# KiCad board jetson-orin-baseboard.kicad_pcb (continued)
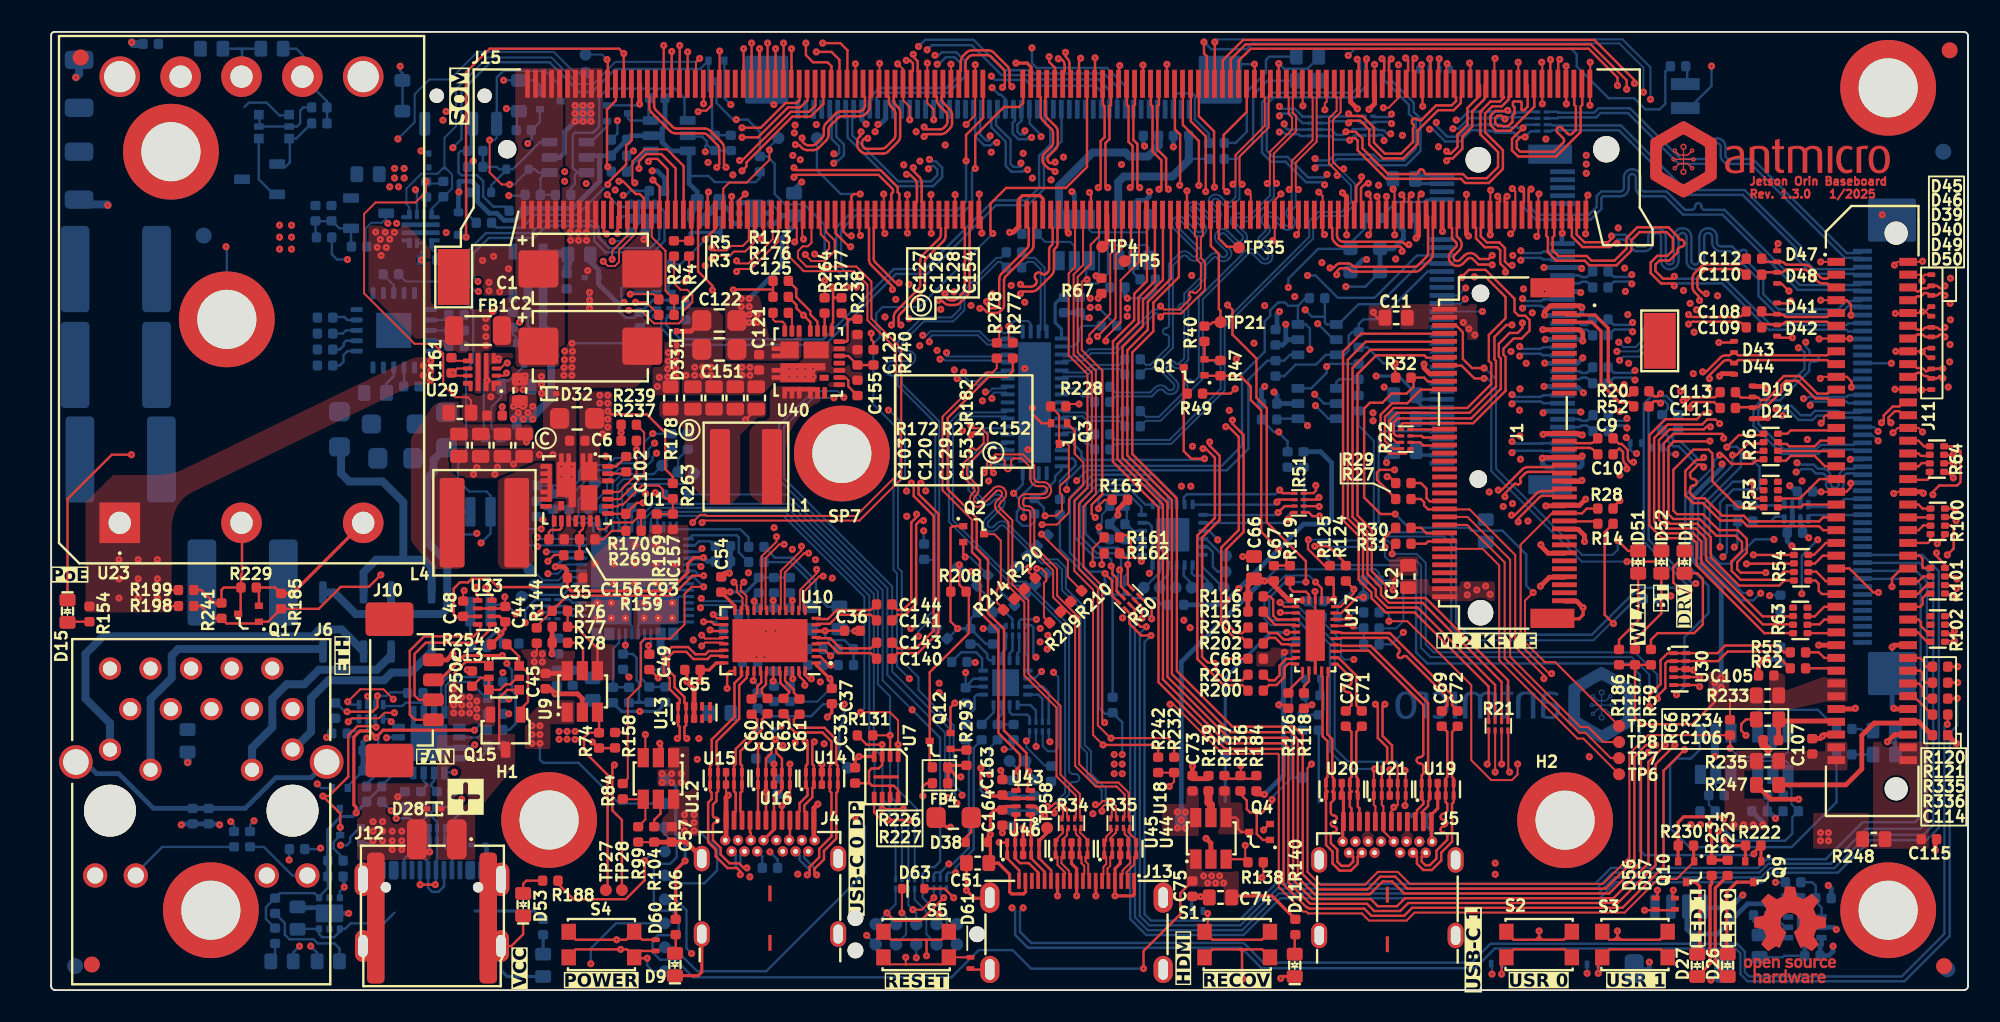
[diagram p0: board, top side]
## Routing (per net, layer and track width the routed paths; a pad name or vN(x,y) marks a point on that pad's centre or on a via; arc(x,y) is an arc through that point) (continued)
  Bottom w0.155: 90.3,54.2 90.74,54.2 90.9,54.04 91.78,54.04 91.83,53.99 v1(92.14,53.99) 92.34,54.19 93.03,54.19 93.03,54.19
CSI1_D0_P: length 12.9
  Top w0.155: 95.35,56.74 95.35,55.43 95.45,55.33 95.45,53.86 95.22,53.63 arc(95.08,53.57) 94.94,53.63 94.58,53.99 arc(94.44,54.05) 94.3,53.99 arc(94.24,53.85) 94.3,53.71 94.65,53.35 arc(94.71,53.21) 94.65,53.07 94.09,52.5 91.96,52.5 91.75,52.71 91.75,53.18 91.99,53.42 v1(92.27,53.42)
  Bottom w0.155: 93.03,53.79 93.02,53.78 92.63,53.78 v1(92.27,53.42) 91.85,53.42 91.57,53.7 90.39,53.7 90.3,53.79
CSI1_D1_N: length 9.6
  Top w0.155: 92.85,56.74 92.85,55.32 91.34,53.81 90.46,53.81 90.1,54.17 90.1,54.74 90.41,55.05 91.14,55.05 v1(91.18,55.09)
  Bottom w0.155: 90.3,55.01 91.1,55.01 v1(91.18,55.09) 91.31,54.96 92.19,54.96 92.23,55 93.02,55 93.03,54.99
CSI1_D1_P: length 9.5
  Top w0.155: v1(91.01,54.54) 90.79,54.76 90.54,54.76 90.4,54.62 90.4,54.29 90.58,54.11 91.22,54.11 91.22,54.12 91.4,54.3 91.41,54.3 91.48,54.38 91.48,54.76 91.61,54.89 91.61,55.27 91.51,55.37 91.51,55.59 91.57,55.65 91.99,55.65 92.05,55.59 92.05,55.14 92.09,55.1 92.21,55.1 92.43,55.32 92.43,56.66 92.35,56.74
  Bottom w0.155: 90.3,54.6 90.95,54.6 v1(91.01,54.54) 91.13,54.66 92.19,54.66 92.25,54.59 93.03,54.59 93.03,54.59
CSI2_CLK_N: length 65.8
  Top w0.155: 89.6,47.82 89.5,47.72 89.5,47.19 89.87,46.82 90.65,46.82 91.01,46.46 91.01,45.63 91.25,45.39 v1(91.46,45.39)
  In5.Cu w0.16: v1(109.29,33.02) 109.12,32.85 108.86,32.85 108.29,32.28 107.3,32.28 107.17,32.41 107.17,33.24 107.46,33.53 arc(107.56,33.76) 107.46,33.99 107.18,34.28 arc(106.95,34.37) 106.72,34.28 106.62,34.17 arc(106.6,34.16) 106.58,34.17 106.3,34.45 arc(106.29,34.47) 106.3,34.49 106.4,34.59 arc(106.5,34.82) 106.4,35.05 106.12,35.34 arc(105.89,35.43) 105.66,35.34 105.56,35.23 arc(105.54,35.22) 105.52,35.23 105.35,35.4 105.35,36.01 arc(105.22,36.31) 104.93,36.44 104.78,36.44 arc(104.69,36.47) 104.65,36.56 104.65,36.76 arc(104.69,36.85) 104.78,36.89 105.67,36.89 arc(106.01,37.03) 106.15,37.36 106.15,37.46 arc(106.01,37.8) 105.67,37.94 105.53,37.94 arc(105.4,37.99) 105.35,38.11 105.35,38.81 arc(105.2,39.18) 104.82,39.33 104.68,39.33 arc(104.52,39.4) 104.45,39.56 arc(104.52,39.72) 104.68,39.79 104.82,39.79 arc(105.2,39.94) 105.35,40.31 105.35,40.56 arc(105.4,40.69) 105.53,40.74 105.67,40.74 arc(106.01,40.88) 106.15,41.21 106.15,41.31 arc(106.01,41.65) 105.67,41.78 105.53,41.78 arc(105.4,41.84) 105.35,41.96 105.35,42.06 arc(105.4,42.19) 105.53,42.24 105.67,42.24 arc(106.01,42.38) 106.15,42.71 106.15,42.81 arc(106.01,43.15) 105.67,43.28 105.53,43.28 arc(105.4,43.34) 105.35,43.46 105.35,43.68 104.66,44.37 arc(104.61,44.49) 104.66,44.62 104.77,44.72 arc(104.91,45.06) 104.77,45.39 104.7,45.46 arc(104.36,45.6) 104.03,45.46 103.46,44.9 arc(103.45,44.89) 103.43,44.9 103.14,45.18 arc(103.14,45.2) 103.14,45.22 103.25,45.32 arc(103.35,45.55) 103.25,45.78 102.87,46.16 101.6,46.16 arc(101.42,46.23) 101.35,46.41 101.35,47.11 arc(101.19,47.5) 100.8,47.66 arc(100.41,47.5) 100.25,47.11 100.25,45.56 arc(100.36,45.3) 100.63,45.19 100.78,45.19 arc(100.83,45.17) 100.85,45.11 100.85,44.81 arc(100.83,44.76) 100.78,44.74 100.63,44.74 arc(100.36,44.63) 100.25,44.36 100.25,44.16 arc(100.41,43.79) 100.78,43.64 100.93,43.64 arc(101.08,43.57) 101.15,43.41 arc(101.08,43.25) 100.93,43.19 100.78,43.19 arc(100.41,43.03) 100.25,42.66 100.25,42.46 arc(100.18,42.28) 100,42.21 arc(99.82,42.28) 99.75,42.46 99.75,42.74 arc(99.66,42.97) 99.43,43.06 99.28,43.06 arc(99.26,43.07) 99.25,43.09 99.25,43.49 arc(99.26,43.51) 99.28,43.51 99.43,43.51 arc(99.66,43.61) 99.75,43.84 99.75,47 99.46,47.29 98.82,47.29 98.46,46.93 98.46,46.41 98.21,46.16 97.49,46.16 arc(97.35,46.22) 97.29,46.36 97.29,46.38 arc(97.23,46.53) 97.09,46.58 arc(96.95,46.53) 96.89,46.38 96.89,46.36 arc(96.83,46.22) 96.69,46.16 96.43,46.16 95.62,46.97 93.43,46.97 92.66,46.2 92.66,44.86 92.45,44.65 91.99,44.65 91.46,45.18 v1(91.46,45.39)
  Bottom w0.155: 113.4,32.75 112.95,32.75 112.85,32.65 112.46,32.65 arc(112.07,32.49) 111.91,32.1 111.91,31.7 arc(111.84,31.52) 111.66,31.45 arc(111.48,31.52) 111.41,31.7 111.41,32.1 arc(111.25,32.49) 110.86,32.65 110.59,32.65 110.33,32.91 109.4,32.91 v1(109.29,33.02)
CSI2_CLK_P: length 65.8
  Top w0.155: v1(91.04,44.96) 91.04,45.17 90.71,45.5 90.71,46.34 90.53,46.52 89.75,46.52 89.2,47.07 89.2,47.72 89.1,47.82
  In5.Cu w0.16: v1(109.24,32.44) 109.12,32.56 108.99,32.56 108.41,31.98 107.18,31.98 106.87,32.29 106.87,33.35 107.15,33.63 107.15,33.64 107.25,33.74 arc(107.26,33.76) 107.25,33.78 106.97,34.06 arc(106.95,34.07) 106.93,34.06 106.83,33.96 arc(106.6,33.86) 106.37,33.96 106.09,34.24 arc(105.99,34.47) 106.09,34.7 106.19,34.81 arc(106.2,34.82) 106.19,34.84 105.91,35.13 arc(105.89,35.13) 105.87,35.12 105.77,35.02 arc(105.54,34.92) 105.31,35.02 105.05,35.28 105.05,36.01 arc(105.01,36.1) 104.93,36.14 104.78,36.14 arc(104.48,36.26) 104.35,36.56 104.35,36.76 arc(104.48,37.06) 104.78,37.19 105.67,37.19 arc(105.8,37.24) 105.85,37.36 105.85,37.46 arc(105.8,37.59) 105.67,37.64 105.53,37.64 arc(105.19,37.78) 105.05,38.11 105.05,38.81 arc(104.98,38.97) 104.82,39.04 104.68,39.04 arc(104.31,39.19) 104.15,39.56 arc(104.31,39.93) 104.68,40.08 104.82,40.08 arc(104.98,40.15) 105.05,40.31 105.05,40.56 arc(105.19,40.9) 105.53,41.03 105.67,41.03 arc(105.8,41.09) 105.85,41.21 105.85,41.31 arc(105.8,41.44) 105.67,41.49 105.53,41.49 arc(105.19,41.63) 105.05,41.96 105.05,42.06 arc(105.19,42.4) 105.53,42.53 105.67,42.53 arc(105.8,42.59) 105.85,42.71 105.85,42.81 arc(105.8,42.94) 105.67,42.99 105.53,42.99 arc(105.19,43.13) 105.05,43.46 105.05,43.56 104.45,44.16 arc(104.32,44.49) 104.45,44.83 104.56,44.93 arc(104.61,45.06) 104.56,45.18 104.49,45.25 arc(104.36,45.3) 104.24,45.25 103.68,44.69 arc(103.45,44.59) 103.22,44.69 102.93,44.97 arc(102.84,45.2) 102.93,45.43 103.04,45.53 arc(103.05,45.55) 103.04,45.57 102.75,45.86 101.6,45.86 arc(101.21,46.02) 101.05,46.41 101.05,47.11 arc(100.98,47.29) 100.8,47.36 arc(100.62,47.29) 100.55,47.11 100.55,45.56 arc(100.57,45.51) 100.63,45.49 100.78,45.49 arc(101.04,45.38) 101.15,45.11 101.15,44.81 arc(101.04,44.55) 100.78,44.44 100.63,44.44 arc(100.57,44.42) 100.55,44.36 100.55,44.16 arc(100.62,44) 100.78,43.94 100.93,43.94 arc(101.3,43.78) 101.45,43.41 arc(101.3,43.04) 100.93,42.89 100.78,42.89 arc(100.62,42.82) 100.55,42.66 100.55,42.46 arc(100.39,42.07) 100,41.91 arc(99.61,42.07) 99.45,42.46 99.45,42.74 arc(99.44,42.76) 99.43,42.76 99.28,42.76 arc(99.05,42.86) 98.95,43.09 98.95,43.49 arc(99.05,43.72) 99.28,43.81 99.43,43.81 arc(99.44,43.82) 99.45,43.84 99.45,46.88 99.34,46.99 98.94,46.99 98.75,46.8 98.75,46.28 98.33,45.86 96.31,45.86 95.5,46.67 93.55,46.67 92.96,46.08 92.96,44.74 92.57,44.35 91.86,44.35 91.25,44.96 v1(91.04,44.96)
  Bottom w0.155: 113.4,32.25 112.95,32.25 112.85,32.35 112.46,32.35 arc(112.28,32.28) 112.21,32.1 112.21,31.7 arc(112.05,31.31) 111.66,31.15 arc(111.27,31.31) 111.11,31.7 111.11,32.1 arc(111.04,32.28) 110.86,32.35 110.47,32.35 110.2,32.62 109.55,32.62 109.37,32.44 v1(109.24,32.44)
CSI2_D0_N: length 65.7
  Top w0.155: v1(91.14,49.71) 91,49.56 91,49.37 91.1,49.27
  In5.Cu w0.16: v1(109.84,40.57) 109.84,40.22 110.47,39.59 110.63,39.59 111.47,40.43 111.47,41.21 arc(111.4,41.37) 111.25,41.44 109.36,41.44 arc(108.99,41.59) 108.84,41.96 arc(108.99,42.33) 109.36,42.48 109.65,42.48 arc(109.81,42.55) 109.88,42.71 109.88,43.01 arc(109.94,43.17) 110.1,43.23 arc(110.26,43.17) 110.33,43.01 110.33,42.71 arc(110.39,42.55) 110.55,42.48 111.25,42.48 arc(111.4,42.55) 111.47,42.71 111.47,43.15 111.19,43.43 arc(111.03,43.8) 111.19,44.17 111.47,44.46 arc(111.54,44.62) 111.47,44.77 arc(111.31,44.84) 111.15,44.77 110.09,43.72 arc(109.72,43.56) 109.35,43.72 arc(109.2,44.09) 109.35,44.46 110.11,45.22 arc(110.12,45.25) 110.11,45.29 109.86,45.54 arc(109.82,45.55) 109.79,45.54 109.68,45.43 arc(109.44,45.33) 109.19,45.43 108.87,45.75 108.87,46.72 108.24,47.35 arc(108.1,47.41) 107.95,47.35 107.85,47.24 arc(107.5,47.1) 107.14,47.24 107.11,47.28 arc(106.96,47.63) 107.11,47.99 107.69,48.57 arc(107.7,48.59) 107.69,48.6 107.41,48.89 arc(107.39,48.9) 107.37,48.89 106.59,48.11 arc(106.22,47.96) 105.85,48.11 arc(105.7,48.48) 105.85,48.85 106.63,49.63 arc(106.64,49.65) 106.63,49.67 106.35,49.95 arc(106.33,49.96) 106.31,49.95 105.53,49.17 arc(105.16,49.02) 104.79,49.17 arc(104.64,49.54) 104.79,49.91 105.07,50.2 arc(105.14,50.35) 105.07,50.51 104.88,50.71 99.95,50.71 arc(99.56,50.87) 99.4,51.26 99.4,51.61 arc(99.33,51.79) 99.15,51.86 arc(98.97,51.79) 98.9,51.61 98.9,51.26 arc(98.74,50.87) 98.35,50.71 97.2,50.71 96.79,50.3 95.92,50.3 94.97,51.25 91.46,51.25 91,50.79 91,49.86 v1(91.14,49.71)
  Bottom w0.155: 113.4,34.25 112.95,34.25 112.85,34.15 110.78,34.15 110.5,33.87 108.46,33.87 106.87,35.46 106.87,36.31 107.5,36.94 108.23,36.94 110.06,38.77 110.06,39.16 arc(110.12,39.3) 110.26,39.36 110.46,39.36 arc(110.6,39.42) 110.66,39.56 arc(110.6,39.7) 110.46,39.76 110.26,39.76 arc(110.12,39.82) 110.06,39.96 110.06,40.07 109.84,40.29 v1(109.84,40.57)
CSI2_D0_P: length 65.7
  Top w0.155: 90.6,49.27 90.7,49.37 90.7,49.56 v1(90.55,49.71)
  In5.Cu w0.16: v1(90.55,49.71) 90.7,49.86 90.7,50.91 91.34,51.55 95.09,51.55 96.04,50.6 96.67,50.6 97.08,51.01 98.35,51.01 arc(98.53,51.08) 98.6,51.26 98.6,51.61 arc(98.76,52) 99.15,52.16 arc(99.54,52) 99.7,51.61 99.7,51.26 arc(99.77,51.08) 99.95,51.01 105,51.01 105.29,50.73 arc(105.44,50.35) 105.29,49.98 105,49.7 arc(104.94,49.54) 105,49.38 arc(105.16,49.32) 105.32,49.38 106.1,50.16 arc(106.33,50.25) 106.56,50.16 106.84,49.88 arc(106.94,49.65) 106.84,49.42 106.06,48.64 arc(106,48.48) 106.06,48.32 arc(106.22,48.26) 106.38,48.32 107.16,49.1 arc(107.39,49.19) 107.62,49.1 107.9,48.82 arc(108,48.59) 107.9,48.36 107.32,47.78 arc(107.26,47.63) 107.32,47.49 107.35,47.46 arc(107.5,47.4) 107.64,47.46 107.74,47.56 arc(108.1,47.71) 108.45,47.56 109.17,46.84 109.17,45.87 109.4,45.64 arc(109.44,45.63) 109.47,45.64 109.58,45.75 arc(109.82,45.85) 110.07,45.75 110.32,45.5 arc(110.42,45.25) 110.32,45 109.56,44.25 arc(109.49,44.09) 109.56,43.93 arc(109.72,43.86) 109.88,43.93 110.94,44.99 arc(111.31,45.14) 111.68,44.99 arc(111.83,44.62) 111.68,44.24 111.4,43.96 arc(111.33,43.8) 111.4,43.64 111.77,43.27 111.77,42.71 arc(111.62,42.34) 111.25,42.19 109.36,42.19 arc(109.2,42.12) 109.14,41.96 arc(109.2,41.8) 109.36,41.73 111.25,41.73 arc(111.62,41.58) 111.77,41.21 111.77,40.31 110.75,39.29 110.35,39.29 109.42,40.22 v1(109.38,40.22)
  Bottom w0.155: v1(109.38,40.22) 109.49,40.22 109.76,39.95 109.76,38.89 108.11,37.24 107.38,37.24 106.57,36.43 106.57,35.34 108.34,33.57 110.62,33.57 110.9,33.85 112.85,33.85 112.95,33.75 113.4,33.75
CSI2_D1_N: length 64.1
  Top w0.155: 88.1,48.54 88.1,47.82 88,47.72 88,47.2 88.15,47.06 arc(88.3,46.69) 88.15,46.31 87.86,46.03 arc(87.8,45.87) 87.86,45.71 arc(88.02,45.65) 88.18,45.71 88.46,46 arc(88.83,46.15) 89.21,46 89.42,45.78 89.99,45.78 v1(90.21,46)
  In5.Cu w0.16: v1(114.37,34.98) 114.22,34.84 114.1,34.84 113.32,34.06 112.91,34.06 arc(112.73,34.13) 112.66,34.31 112.66,35.39 arc(112.5,35.78) 112.11,35.94 arc(111.72,35.78) 111.56,35.39 111.56,34.31 arc(111.49,34.13) 111.31,34.06 110.99,34.06 110.75,34.3 110.75,34.79 110.34,35.2 110.34,35.32 110.08,35.58 109.8,35.58 109.56,35.34 109.56,35.2 109.11,34.75 109.11,34.45 108.72,34.06 108.52,34.06 108.34,34.24 arc(108.27,34.4) 108.34,34.56 108.45,34.67 arc(108.6,35.04) 108.45,35.41 arc(108.08,35.56) 107.7,35.41 107.6,35.3 arc(107.44,35.23) 107.28,35.3 106.95,35.63 106.95,36.18 arc(106.96,36.22) 107,36.23 107.15,36.23 arc(107.4,36.33) 107.5,36.58 107.5,36.88 arc(107.4,37.13) 107.15,37.23 107,37.23 arc(106.96,37.24) 106.95,37.28 106.95,37.91 arc(107.02,38.07) 107.18,38.14 108.07,38.14 arc(108.44,38.29) 108.6,38.66 arc(108.44,39.03) 108.07,39.19 107.18,39.19 arc(107.02,39.25) 106.95,39.41 106.95,40.91 arc(106.98,40.98) 107.05,41.01 107.2,41.01 arc(107.48,41.13) 107.6,41.41 107.6,41.66 arc(107.48,41.94) 107.2,42.06 107.05,42.06 arc(106.98,42.09) 106.95,42.16 106.95,42.41 arc(106.98,42.48) 107.05,42.51 107.2,42.51 arc(107.48,42.63) 107.6,42.91 107.6,43.16 arc(107.48,43.44) 107.2,43.56 107.05,43.56 arc(106.98,43.59) 106.95,43.66 106.95,44.35 105.96,45.34 arc(105.94,45.39) 105.96,45.45 106.07,45.55 arc(106.18,45.81) 106.07,46.08 105.86,46.29 arc(105.59,46.4) 105.33,46.29 105.22,46.19 arc(105.17,46.16) 105.11,46.19 arc(105.09,46.24) 105.11,46.29 105.22,46.4 arc(105.33,46.66) 105.22,46.93 105.01,47.14 arc(104.74,47.25) 104.48,47.14 103.88,46.54 arc(103.75,46.49) 103.63,46.54 103.56,46.61 arc(103.51,46.74) 103.56,46.86 104.16,47.46 arc(104.27,47.72) 104.16,47.99 103.95,48.2 arc(103.68,48.31) 103.42,48.2 103.31,48.1 arc(103.26,48.07) 103.21,48.1 102.85,48.45 102.28,48.45 arc(102.19,48.49) 102.15,48.58 102.15,48.72 arc(102.03,49.02) 101.73,49.15 101.53,49.15 arc(101.23,49.02) 101.1,48.72 101.1,48.58 arc(101.07,48.49) 100.98,48.45 100.78,48.45 arc(100.69,48.49) 100.65,48.58 100.65,48.72 arc(100.53,49.02) 100.23,49.15 100.03,49.15 arc(99.73,49.02) 99.6,48.72 99.6,48.58 arc(99.57,48.49) 99.48,48.45 99.28,48.45 arc(99.19,48.49) 99.15,48.58 99.15,48.72 arc(99.03,49.02) 98.73,49.15 98.53,49.15 arc(98.23,49.02) 98.11,48.72 98.11,48.58 arc(98.07,48.49) 97.98,48.45 97.61,48.45 arc(97.26,48.3) 97.11,47.95 97.11,47.75 arc(97.05,47.61) 96.91,47.55 arc(96.77,47.61) 96.71,47.75 96.71,47.95 arc(96.56,48.3) 96.21,48.45 95.1,48.45 arc(94.99,48.49) 94.95,48.6 94.95,48.75 arc(94.82,49.07) 94.5,49.2 94.35,49.2 arc(94.03,49.07) 93.9,48.75 93.9,48.6 arc(93.86,48.49) 93.75,48.45 93.47,48.45 93.01,47.99 92.63,47.99 91.55,46.91 91.18,46.91 90.71,46.44 90.71,46.04 90.53,45.86 90.36,45.86 v1(90.21,46)
  Bottom w0.155: 113.4,35.25 114.1,35.25 v1(114.37,34.98)
CSI2_D1_P: length 64.1
  Top w0.155: v1(90.21,45.42) 90.2,45.43 89.35,45.43 88.99,45.78 arc(88.83,45.85) 88.68,45.78 88.39,45.5 arc(88.02,45.35) 87.65,45.5 arc(87.5,45.87) 87.65,46.24 87.93,46.53 arc(88,46.69) 87.93,46.84 87.7,47.08 87.7,47.72 87.6,47.82 87.6,48.54
  In5.Cu w0.16: v1(90.21,45.42) 90.36,45.56 90.65,45.56 91.01,45.92 91.01,46.32 91.3,46.61 91.67,46.61 92.75,47.69 93.13,47.69 93.59,48.15 93.75,48.15 arc(94.07,48.28) 94.2,48.6 94.2,48.75 arc(94.24,48.86) 94.35,48.9 94.5,48.9 arc(94.61,48.86) 94.65,48.75 94.65,48.6 arc(94.78,48.28) 95.1,48.15 96.21,48.15 arc(96.35,48.09) 96.41,47.95 96.41,47.75 arc(96.56,47.4) 96.91,47.25 arc(97.26,47.4) 97.41,47.75 97.41,47.95 arc(97.47,48.09) 97.61,48.15 97.98,48.15 arc(98.28,48.28) 98.4,48.58 98.4,48.72 arc(98.44,48.81) 98.53,48.85 98.73,48.85 arc(98.82,48.81) 98.85,48.72 98.85,48.58 arc(98.98,48.28) 99.28,48.15 99.48,48.15 arc(99.78,48.28) 99.9,48.58 99.9,48.72 arc(99.94,48.81) 100.03,48.85 100.23,48.85 arc(100.32,48.81) 100.35,48.72 100.35,48.58 arc(100.48,48.28) 100.78,48.15 100.98,48.15 arc(101.28,48.28) 101.4,48.58 101.4,48.72 arc(101.44,48.81) 101.53,48.85 101.73,48.85 arc(101.82,48.81) 101.85,48.72 101.85,48.58 arc(101.98,48.28) 102.28,48.15 102.73,48.15 102.99,47.88 arc(103.26,47.78) 103.52,47.88 103.63,47.99 arc(103.68,48.01) 103.74,47.99 103.95,47.78 arc(103.97,47.72) 103.95,47.67 103.35,47.07 arc(103.21,46.74) 103.35,46.4 103.42,46.33 arc(103.75,46.19) 104.09,46.33 104.69,46.93 arc(104.74,46.95) 104.8,46.93 105.01,46.72 arc(105.03,46.66) 105.01,46.61 104.9,46.5 arc(104.79,46.24) 104.9,45.98 arc(105.17,45.87) 105.43,45.98 105.54,46.08 arc(105.59,46.1) 105.65,46.08 105.86,45.87 arc(105.88,45.81) 105.86,45.76 105.75,45.66 arc(105.64,45.39) 105.75,45.13 106.65,44.23 106.65,43.66 arc(106.77,43.38) 107.05,43.26 107.2,43.26 arc(107.27,43.23) 107.3,43.16 107.3,42.91 arc(107.27,42.84) 107.2,42.81 107.05,42.81 arc(106.77,42.69) 106.65,42.41 106.65,42.16 arc(106.77,41.88) 107.05,41.76 107.2,41.76 arc(107.27,41.73) 107.3,41.66 107.3,41.41 arc(107.27,41.34) 107.2,41.31 107.05,41.31 arc(106.77,41.19) 106.65,40.91 106.65,39.41 arc(106.8,39.04) 107.18,38.89 108.07,38.89 arc(108.23,38.82) 108.3,38.66 arc(108.23,38.5) 108.07,38.44 107.18,38.44 arc(106.8,38.28) 106.65,37.91 106.65,37.28 arc(106.75,37.03) 107,36.93 107.15,36.93 arc(107.19,36.92) 107.2,36.88 107.2,36.58 arc(107.19,36.54) 107.15,36.53 107,36.53 arc(106.75,36.43) 106.65,36.18 106.65,35.51 107.07,35.09 arc(107.44,34.94) 107.81,35.09 107.92,35.2 arc(108.08,35.26) 108.23,35.2 arc(108.3,35.04) 108.23,34.88 108.13,34.77 arc(107.98,34.4) 108.13,34.03 108.4,33.76 108.84,33.76 109.41,34.33 109.41,34.61 109.71,34.91 110.21,34.91 110.45,34.67 110.45,34.18 110.87,33.76 111.31,33.76 arc(111.7,33.92) 111.86,34.31 111.86,35.39 arc(111.93,35.57) 112.11,35.64 arc(112.29,35.57) 112.36,35.39 112.36,34.31 arc(112.52,33.92) 112.91,33.76 113.44,33.76 114.22,34.54 114.22,34.54 v1(114.37,34.4)
  Bottom w0.125: v1(114.37,34.4) 114.02,34.75 113.4,34.75
CSI3_CLK_N: length 44
  Top w0.155: v1(87.36,51.93) 87.51,52.08 87.74,52.08 88.34,52.68 88.34,53.45 88.96,54.07 88.96,55.03 89.75,55.82 89.75,56.64 89.85,56.74
  In3.Cu w0.16: v1(61.38,53.39) 61.38,53.6 61.74,53.96 69.5,53.96 70.04,53.42 76.14,53.42 76.96,52.6 79.49,52.6 80.01,52.08 82.54,52.08 arc(82.72,52.01) 82.79,51.83 82.79,51.39 arc(82.95,51) 83.34,50.84 arc(83.73,51) 83.89,51.39 83.89,52.57 arc(83.9,52.61) 83.94,52.62 84.35,52.62 arc(84.38,52.61) 84.39,52.57 84.39,50.99 arc(84.55,50.6) 84.94,50.44 arc(85.33,50.6) 85.49,50.99 85.49,53.07 arc(85.56,53.25) 85.74,53.32 arc(85.92,53.25) 85.99,53.07 85.99,52.63 arc(86.15,52.24) 86.54,52.08 87.21,52.08 v1(87.36,51.93)
  Bottom w0.155: 60.25,55.2 60.34,55.11 60.34,54.46 60.19,54.31 60.19,53.64 60.55,53.28 61.06,53.28 61.17,53.39 v1(61.38,53.39)
CSI3_CLK_P: length 44
  Top w0.155: v1(87.36,52.53) 87.51,52.38 87.62,52.38 88.04,52.8 88.04,53.57 88.66,54.19 88.66,55.24 89.45,56.03 89.45,56.64 89.35,56.74
  In3.Cu w0.16: v1(60.96,53.81) 61.17,53.81 61.62,54.26 69.62,54.26 70.16,53.72 76.26,53.72 77.08,52.9 79.61,52.9 80.13,52.38 81.44,52.38 arc(81.64,52.46) 81.72,52.65 81.72,52.83 arc(81.8,53.03) 81.99,53.11 arc(82.19,53.03) 82.27,52.83 82.27,52.65 arc(82.35,52.46) 82.54,52.38 arc(82.93,52.22) 83.09,51.83 83.09,51.39 arc(83.16,51.21) 83.34,51.14 arc(83.52,51.21) 83.59,51.39 83.59,52.57 arc(83.69,52.82) 83.94,52.92 84.35,52.92 arc(84.59,52.82) 84.69,52.57 84.69,50.99 arc(84.76,50.81) 84.94,50.74 arc(85.12,50.81) 85.19,50.99 85.19,53.07 arc(85.35,53.46) 85.74,53.62 arc(86.13,53.46) 86.29,53.07 86.29,52.63 arc(86.36,52.45) 86.54,52.38 87.21,52.38 v1(87.36,52.53)
  Bottom w0.155: v1(60.96,53.81) 60.96,53.6 60.94,53.58 60.67,53.58 60.49,53.76 60.49,54.19 60.75,54.45 60.75,55.2
CSI3_D0_N: length 20.3
  Top w0.155: 91.35,56.02 91.25,55.92 91.25,55.78 90.81,55.34 90.22,55.34 89.77,54.89 89.77,53.71 90.88,52.6 90.88,51.42 90,50.54 88.52,50.54 88.26,50.8 83.58,50.8 81.79,52.59 81.79,53.2 81.64,53.35 81.42,53.35 v1(81.29,53.22)
  Bottom w0.155: 82.17,53.52 81.59,53.52 v1(81.29,53.22) 81.25,53.26 80.33,53.26 80.11,53.48 79.65,53.48
CSI3_D0_P: length 20.2
  Top w0.155: v1(81.05,53.75) 81.66,53.75 82.09,53.32 82.09,52.71 83.7,51.1 85.45,51.1 arc(85.55,51.14) 85.6,51.25 arc(85.64,51.35) 85.74,51.39 85.8,51.39 arc(85.9,51.35) 85.95,51.25 arc(85.99,51.14) 86.09,51.1 88.38,51.1 88.64,50.84 89.88,50.84 90.58,51.54 90.58,52.48 89.47,53.59 89.47,55.01 90.1,55.64 90.69,55.64 90.95,55.9 90.95,55.92 90.85,56.02
  Bottom w0.155: 81.95,53.92 81.5,53.92 81.33,53.75 v1(81.05,53.75) 80.85,53.55 80.46,53.55 80.13,53.89 79.65,53.89
CSI3_D1_N: length 13.8
  Top w0.155: 88.35,56.02 88.25,55.92 88.25,55.55 87.8,55.1 86.82,55.1 85.55,53.83 85.55,52.99 84.64,52.08 83.37,52.08 82.51,52.94 82.51,53.89 81.96,54.44 81.36,54.44 v1(81.22,54.3)
  Bottom w0.155: 79.65,54.29 80,54.29 80.11,54.41 81.12,54.41 v1(81.22,54.3) 81.36,54.44 81.83,54.44 81.94,54.32 82.17,54.32
CSI3_D1_P: length 13.7
  Top w0.155: v1(81.22,54.88) 81.36,54.74 82.08,54.74 82.81,54.01 82.81,53.06 83.49,52.38 84.52,52.38 85.25,53.11 85.25,53.95 arc(85.31,54.09) 85.25,54.23 85.24,54.25 arc(85.18,54.39) 85.24,54.53 arc(85.38,54.59) 85.52,54.53 85.53,54.52 arc(85.67,54.46) 85.82,54.52 86.7,55.4 87.68,55.4 87.95,55.67 87.95,55.92 87.85,56.02
  Bottom w0.155: 82.17,54.72 81.84,54.72 81.83,54.74 81.36,54.74 v1(81.22,54.88) 81.06,54.71 80.11,54.71 80.11,54.7 79.65,54.7
CSIA_FLG: length 67.2
  Top w0.125: v1(78.9,14.15) 78.65,13.9 78.65,7.4 79.45,6.6 82.25,6.6 83.05,7.4 84.3,7.4 85.05,6.65 97.15,6.65 98.8,8.3 98.8,14.8 99.97,15.97 105.1,15.97 v1(105.1,15.15)
  In3.Cu w0.125: v1(78.9,14.15) 75.8,14.15 73.55,16.4 66.3,16.4 66.1,16.2 63.17,16.2 62.53,15.55 v1(62.52,15.55)
  Bottom w0.125: v1(62.52,15.55) 62.45,15.62 62.45,16.2 ; U25.3 105.15,15.2 v1(105.1,15.15) 105.65,14.6 108.4,14.6 108.73,14.93 U24.3
CSIA_PEN: length 71.5
  In3.Cu w0.125: v1(58.35,22.64) 58.51,22.8 60.18,22.8 61.13,23.75 71.15,23.75 75.5,19.4 75.5,17.25 78.15,14.6 96.28,14.6 v1(96.29,14.61)
  In5.Cu w0.125: v1(104.37,9.95) 98.85,9.95 98.45,10.35 98.45,14.15 97.99,14.61 v1(96.29,14.61)
  Bottom w0.125: R6.2 109.38,11.2 108.95,11.64 108.95,12.6 108.73,12.82 108.73,14.22 108.6,14.35 105.3,14.35 105.15,14.2 105.15,13.5
  Bottom w0.15: 105.05,9.75 105.45,9.35 108.55,9.35 109,9.8 109,10.82 R6.2 ; v1(58.35,22.64) 58.35,22.64 59.33,22.64 59.5,22.8 59.78,22.8 ; v1(104.37,9.95) 104.85,9.95
  Bottom w0.155: 105.05,9.75 104.85,9.95
CSIB_FLG: length 44.7
  In3.Cu w0.125: v1(67.08,23.31) 67.08,22.68 64.3,19.9 v1(62.75,19.9)
  In5.Cu w0.125: v1(65.4,44.73) 65.4,44.4 64.55,43.55 64.55,40.5 64.8,40.25 64.8,31.78 64.4,31.38 64.4,26 67.08,23.32 v1(67.08,23.31)
  Bottom w0.125: v1(65.4,44.73) 65.6,44.92 65.6,47.35 ; 65,48.35 65,47.6 65.15,47.45 65.5,47.45 ; v1(62.75,19.9) 63.05,19.6 63.05,15.2 62.8,14.95 62.4,14.95 62.07,15.28 62.07,16.18 62.05,16.2 ; 65.85,47.45 65.7,47.45 65.6,47.35 ; 65.85,47.45 68.5,47.45 68.7,47.65 68.7,48.35 ; 65.85,47.45 65.5,47.45 ; 65.6,47.35 65.5,47.45
CSIB_PEN: length 38
  Top w0.125: v1(64.85,44.5) 64.7,44.5 64.52,44.32 64.52,40.08 65.8,38.8
  Top w0.15: v1(65.36,29.6) 65.14,29.82 65.14,30.39 65.8,31.05 65.8,38.8
  In3.Cu w0.15: v1(65.36,29.6) 63.61,27.85 60.47,27.85 58.83,26.2 v1(57.6,26.2)
  Bottom w0.125: 68.7,45.75 68.7,46.5 68.55,46.65 66.3,46.65 66.15,46.5 66.15,44.85 65.55,44.25 65.1,44.25 v1(64.85,44.5) 64.8,44.55 64.8,45.55 65,45.75
  Bottom w0.13: v1(57.6,26.2) 57.6,25.66 58.94,24.33 58.94,23.65
  Bottom w0.15: 58.94,23.65 59.75,23.65 60.18,23.22 60.18,23.02
DEBUG_RXD: length 47.4
  In3.Cu w0.13: v1(26.73,44.38) 24.72,42.37 24.72,38.05 23.94,37.27 23.94,22.96 27.02,19.88 v1(28.28,19.88)
  Bottom w0.15: 28.19,19.3 28.19,19.79 v1(28.28,19.88) ; 37.8,49.06 38.09,49.06 38.4,48.75 38.4,46.9 37.69,46.19 34.71,46.19 33.99,46.91 33.99,47.69 33.81,47.88 31.02,47.88 30.25,47.1 27.4,47.1 26.44,46.14 26.44,44.66 v1(26.73,44.38)
DEBUG_TXD: length 50.7
  In3.Cu w0.13: v1(26.75,43.75) 25.58,42.58 25.58,38.48 24.22,37.12 24.22,23.08 26.95,20.35 28.43,20.35 v1(28.53,20.45)
  Bottom w0.15: 37.8,48.47 38.08,48.19 38.08,47.03 37.51,46.47 34.95,46.47 34.27,47.15 34.27,47.83 33.95,48.15 30.79,48.15 30.04,47.4 27.21,47.4 26.15,46.34 26.15,44.15 26.55,43.75 v1(26.75,43.75)
  Bottom w0.16: 28.28,16.3 28.7,16.3 29.08,16.68 29.08,18.52 28.85,18.75 28.85,20.05 28.53,20.37 v1(28.53,20.45)
DISABLE_POE_DCDC: length 40.7
  In5.Cu w0.125: v1(61.65,20.85) 61.55,20.95 57.25,20.95 56.24,19.94 38.36,19.94 38.15,20.15 35.95,20.15 35.74,19.94 29.86,19.94 29.15,20.65 29.15,23.5 v1(29.1,23.55)
  Bottom w0.15: v1(61.65,20.85) 61.49,21.01 61.49,22.71 61.35,22.85 61.03,22.85 60.98,22.8 ; 27.48,24.12 28.52,24.12 v1(29.1,23.55)
DP1_AUX_N: length 47.8
  Top w0.125: 42.1,21.68 42.03,21.76 40.94,21.76 v1(40.72,21.55)
  In5.Cu w0.125: v1(54.29,22.16) 54.06,22.16 53.61,21.71 40.89,21.71 v1(40.72,21.55)
  Bottom w0.125: 54.98,23.08 54.99,23.09 54.99,23.16 ; 54.98,23.08 54.95,23.12 ; 54.98,23.08 55.36,22.71 ; 54.98,23.08 54.91,23.08 54.89,23.06 ; 54.99,23.16 55.59,23.77 55.59,35.62 53.25,37.96 53.25,38.28 arc(53.12,38.6) 52.81,38.73 52.61,38.73 arc(52.47,38.79) 52.41,38.94 arc(52.47,39.08) 52.61,39.14 53.65,39.14 arc(53.96,39.27) 54.1,39.58 arc(53.96,39.9) 53.65,40.03 53.45,40.03 arc(53.31,40.09) 53.25,40.23 53.25,40.5 54.63,41.88 56.47,41.88 57.17,42.58 57.17,43.5 59.28,45.6 59.44,45.6 59.79,45.25 ; 54.99,23.16 54.95,23.12 ; 54.95,23.12 54.89,23.06 ; 54.89,23.06 54.29,22.46 v1(54.29,22.16)
DP1_AUX_P: length 47.8
  Top w0.125: v1(40.72,22.22) 40.94,22.01 42.03,22.01 42.1,22.08
  In5.Cu w0.125: v1(53.81,22.64) 53.81,22.41 53.46,22.06 40.89,22.06 v1(40.72,22.22)
  Bottom w0.125: 54.62,26.94 55.29,26.94 ; 55.29,26.94 55.34,27 55.34,27.05 ; 55.29,26.94 55.34,26.89 ; v1(53.81,22.64) 54.11,22.64 55.34,23.87 55.34,26.89 ; 55.34,26.89 55.34,27.05 ; 55.34,27.05 55.34,35.52 53,37.86 53,38.28 arc(52.95,38.43) 52.81,38.48 52.61,38.48 arc(52.3,38.62) 52.16,38.94 arc(52.3,39.25) 52.61,39.39 53.65,39.39 arc(53.79,39.44) 53.85,39.58 arc(53.79,39.73) 53.65,39.78 53.45,39.78 arc(53.14,39.92) 53,40.23 53,40.6 54.53,42.12 56.37,42.12 56.92,42.68 56.92,43.6 59.17,45.85 59.44,45.85 59.79,46.2
DP1_HDMI_AUX_N: length 15.9
  Top w0.125: v1(69.45,42.15) 69.66,42.36 70.74,42.36 72.22,43.85 72.22,45.6 71.97,45.85 71.97,47.11 72.1,47.23 72.1,48.54
  Bottom w0.125: v1(69.45,42.15) 69.24,42.36 69.09,42.36 66.61,39.88 65.11,39.88 64.65,39.42 63.38,39.42 U36.4
